# Altium PCB Proyecto_0.PcbDoc (part 2 of 3)
Units mil, origin at the board's own origin, x right, y up, seen from the top; angles counter-clockwise.
Board outline 2559.06 x 1771.65 mil, 10 copper layers (TOP, GND[1], VDD[1], Signal[1], GND[2], VDD[2], Signal[2], GND[3], VDD[3], Bottom Layer), stack 79.883 mil thick; 190 components, 259 nets, 1108 pads, 222 vias.
Unrouted connection lines stored in the file: 746.
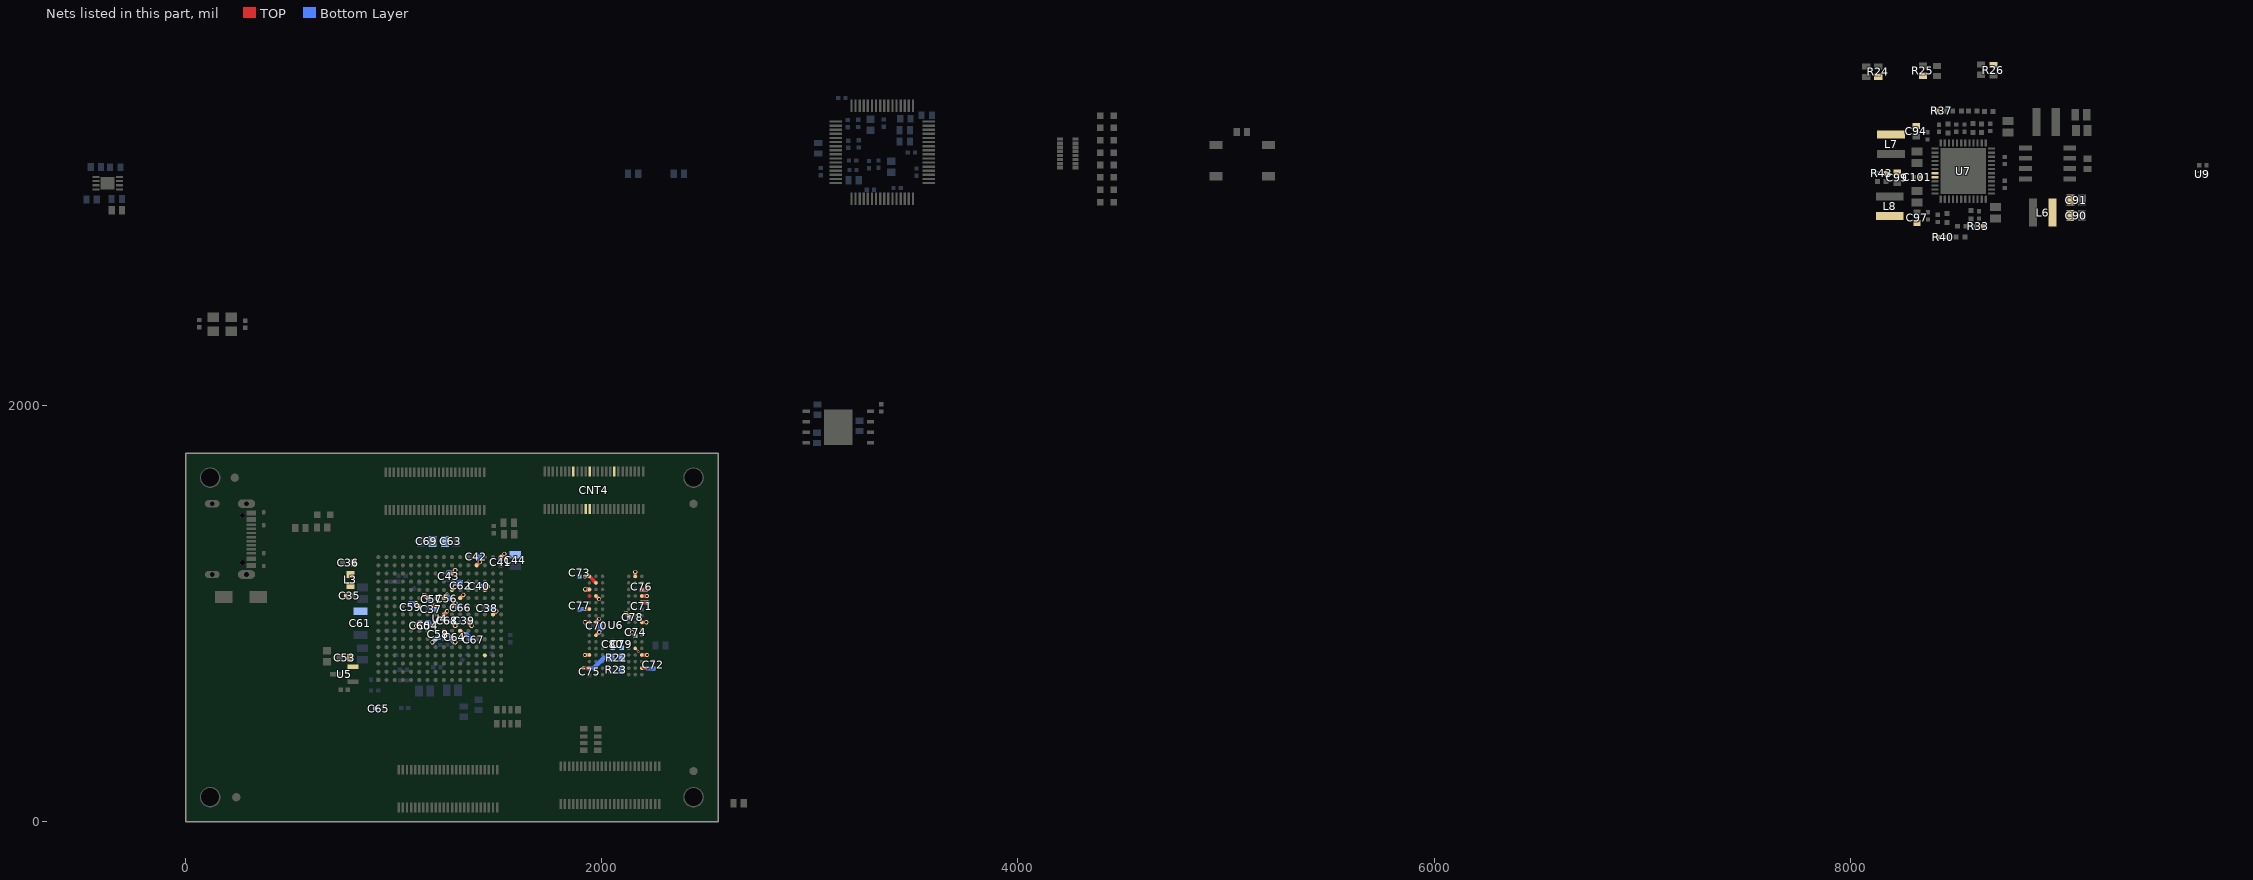
[diagram p10: the nets of this part, all layers, seen from the top]

## Design rules (kind name [scope] priority, off if disabled: settings) (continued)
MaxMinImpedance "Schematic Impedance Constraint_36" [InNet('L15_P')] p45: minimum=95,00 maximum=105,0
MaxMinImpedance "Schematic Impedance Constraint_35" [InNet('ADC_IN_N')] p46: minimum=95,00 maximum=105,0
MaxMinImpedance "Schematic Impedance Constraint_34" [InNet('AD5_P')] p47: minimum=95,00 maximum=105,0
MaxMinImpedance "Schematic Impedance Constraint_33" [InNet('L12_N')] p48: minimum=95,00 maximum=105,0
MaxMinImpedance "Schematic Impedance Constraint_32" [InNet('L22_N')] p49: minimum=95,00 maximum=105,0
MaxMinImpedance "Schematic Impedance Constraint_31" [InNet('AD5_N')] p50: minimum=95,00 maximum=105,0
MaxMinImpedance "Schematic Impedance Constraint_30" [InNet('AD7_P')] p51: minimum=95,00 maximum=105,0
MaxMinImpedance "Schematic Impedance Constraint_29" [InNet('L16_P')] p52: minimum=95,00 maximum=105,0
MaxMinImpedance "Schematic Impedance Constraint_27" [InNet('L13_P')] p53: minimum=95,00 maximum=105,0
MaxMinImpedance "Schematic Impedance Constraint_26" [InNet('L23_P')] p54: minimum=95,00 maximum=105,0
MaxMinImpedance "Schematic Impedance Constraint_25" [InNet('L16_N')] p55: minimum=95,00 maximum=105,0
MaxMinImpedance "Schematic Impedance Constraint_23" [InNet('L20_P')] p56: minimum=95,00 maximum=105,0
MaxMinImpedance "Schematic Impedance Constraint_22" [InNet('AD6_P')] p57: minimum=95,00 maximum=105,0
MaxMinImpedance "Schematic Impedance Constraint_21" [InNet('AD7_N')] p58: minimum=95,00 maximum=105,0
MaxMinImpedance "Schematic Impedance Constraint_20" [InNet('L18_P')] p59: minimum=95,00 maximum=105,0
MaxMinImpedance "Schematic Impedance Constraint_19" [InNet('L20_N')] p60: minimum=95,00 maximum=105,0
MaxMinImpedance "Schematic Impedance Constraint_18" [InNet('L18_N')] p61: minimum=95,00 maximum=105,0
MaxMinImpedance "Schematic Impedance Constraint_17" [InNet('L14_N')] p62: minimum=95,00 maximum=105,0
MaxMinImpedance "Schematic Impedance Constraint_16" [InNet('L24_N')] p63: minimum=95,00 maximum=105,0
MaxMinImpedance "Schematic Impedance Constraint_15" [InNet('AD6_N')] p64: minimum=95,00 maximum=105,0
MaxMinImpedance "Schematic Impedance Constraint_14" [InNet('UDQS_N')] p65: minimum=95,00 maximum=105,0
MaxMinImpedance "Schematic Impedance Constraint_13" [InNet('UDQS_P')] p66: minimum=95,00 maximum=105,0
MaxMinImpedance "Schematic Impedance Constraint_12" [InNet('L13_N')] p67: minimum=95,00 maximum=105,0
MaxMinImpedance "Schematic Impedance Constraint_11" [InNet('L23_N')] p68: minimum=95,00 maximum=105,0
MaxMinImpedance "Schematic Impedance Constraint_10" [InNet('USB_DATA_N')] p69: minimum=85,00 maximum=95,00
MaxMinImpedance DDR_DATA(8-15) [InNetClass('DDR_DATA(8-15)')] p70: minimum=45,00 maximum=55,00
MaxMinImpedance DDR_DATA(0-7) [InNetClass('DDR_DATA(0-7)')] p71: minimum=45,00 maximum=55,00
MaxMinImpedance DDR_CTRL [InNetClass('DDR_CTRL')] p72: minimum=45,00 maximum=55,00
MaxMinImpedance DDR_ADD/CMD [InNetClass('DDR_ADD/CMD')] p73: minimum=45,00 maximum=55,00
MaximumViaCount "Schematic Maximum Via Count Constraint_54" [InNetClass('DDR_DATA(8-15)')] p1: limit=2
MaximumViaCount "Schematic Maximum Via Count Constraint_49" [InNetClass('DDR_ADD/CMD')] p2: limit=2
MaximumViaCount "Schematic Maximum Via Count Constraint_48" [InNetClass('DDR_CTRL')] p3: limit=2
MaximumViaCount "Schematic Maximum Via Count Constraint_47" [InNetClass('DDR_DATA(0-7)')] p4: limit=2
MaximumViaCount "Schematic Maximum Via Count Constraint_46" [InNetClass('FLASH_SPI')] p5: limit=2
MaximumViaCount "Schematic Maximum Via Count Constraint_10" [InNet('UDQS_N')] p6: limit=2
MaximumViaCount "Schematic Maximum Via Count Constraint_9" [InNet('UDQS_P')] p7: limit=2
MaximumViaCount "Schematic Maximum Via Count Constraint_6" [InNet('LDQS_N')] p8: limit=2
MaximumViaCount "Schematic Maximum Via Count Constraint_5" [InNet('LDQS_P')] p9: limit=2
MaximumViaCount "Schematic Maximum Via Count Constraint_3" [InNet('CK_P')] p10: limit=2
MaximumViaCount "Schematic Maximum Via Count Constraint_2" [InNet('CK_N')] p11: limit=2
MinimumAnnularRing [All] p1: minimumring=787.4
PasteMaskExpansion [All] p1: expansion=2
PermittedLayers "Schematic Permitted Layers Rule_5" [InNetClass('FLASH_SPI')] p1: toplayerpermitted=FALSE bottomlayerpermitted=FALSE
PlaneClearance [All] p1: clearance=6
PlaneConnect [All] p1: planeconnectstyle=Direct reliefexpansion=20 reliefentries=4 reliefconductorwidth=10 reliefairgap=10
PolygonConnect [All] p1: connectstyle=Direct reliefconductorwidth=5 reliefentries=4 polygonreliefangle="90 Angle" airgapwidth=0
RoomDefinition U_Leds_and_Buttons [InComponentClass('U_Leds_and_Buttons')] p1: confinementstyle=ConfineIn formatcopy=TRUE lockcomponents=FALSE outline -1181.1,-3149.61 818.9,-3149.61 818.9,-2149.61 -1181.1,-2149.61
RoomDefinition U_FPGA_Power&Ports [InComponentClass('U_FPGA_Power&Ports')] p2: confinementstyle=ConfineIn formatcopy=TRUE lockcomponents=FALSE outline -1181.1,-3149.61 818.9,-3149.61 818.9,-2149.61 -1181.1,-2149.61
RoomDefinition U_Flash_Memory [InComponentClass('U_Flash_Memory')] p3: confinementstyle=ConfineIn formatcopy=TRUE lockcomponents=FALSE outline -1181.1,-3149.61 818.9,-3149.61 818.9,-2149.61 -1181.1,-2149.61
RoomDefinition U_DDR_Memory [InComponentClass('U_DDR_Memory')] p4: confinementstyle=ConfineIn formatcopy=TRUE lockcomponents=FALSE outline -1181.1,-3149.61 818.9,-3149.61 818.9,-2149.61 -1181.1,-2149.61
RoomDefinition U_USB_Port_FTT [InComponentClass('U_USB_Port_FTT')] p5: confinementstyle=ConfineIn formatcopy=TRUE lockcomponents=FALSE outline -551.06,4394.19 7165.48,4394.19 7165.48,5063.48 -551.06,5063.48
RoomDefinition U_Power_Supply [InComponentClass('U_Power_Supply')] p6: confinementstyle=ConfineIn formatcopy=TRUE lockcomponents=FALSE outline 8013,2508 10048.09,2508 10048.09,3802 8013,3802
RoomDefinition U_Bank_A-B-C-D [InComponentClass('U_Bank_A-B-C-D')] p7: confinementstyle=ConfineIn formatcopy=TRUE lockcomponents=FALSE outline 2637.8,78.74 3897.64,78.74 3897.64,866.14 2637.8,866.14
RoutingCorners "Schematic Routing Corners_1" [InNet('USB_DATA_P')] p1: cornerstyle=45-Degree minsetback=100 maxsetback=100
RoutingCorners "Schematic Routing Corners" [InNet('USB_DATA_N')] p2: cornerstyle=45-Degree minsetback=100 maxsetback=100
RoutingCorners [All] p3: cornerstyle=45-Degree minsetback=100 maxsetback=100
RoutingPriority [InNetClass('ADD[14..0]')] p1: routingpriority=0
RoutingVias GND_vias [InNet('GND')] p1: holewidth=28 width=50 viastyle="Through Hole" minholewidth=28 minwidth=50 maxholewidth=28 maxwidth=50
RoutingVias Signal_vias [All] p2: holewidth=7.87 width=11.81 viastyle="Through Hole" minholewidth=7.87 minwidth=11.81 maxholewidth=7.87 maxwidth=11.81
SolderMaskExpansion [All] p1: expansion=2 istentingtop=FALSE soldermaskfromhole=TRUE
UnpouredPolygon [All] p1: allowshelved=TRUE
Width Width_prov [All] p1: maxlimit=20 minlimit=1 preferedwidth=7
Width DDR3_CTRL [InNetClass('DDR_CTRL')] p2: maxlimit=7 minlimit=6 preferedwidth=7 toplayer_minwidth=7 midlayer2_maxwidth=6 midlayer2_prefwidth=6 midlayer6_maxwidth=6 midlayer6_prefwidth=6 bottomlayer_minwidth=7 impedanceprofiledriven=TRUE impedanceprofileid={713964CD-7AE4-42B9-9263-9FE57CD8E892} impedanceprofilevalue=50.000000 minimp=50.000000 maximp=50.000000 favimp=50.000000
Width DDR3_DATA_8-15 [InNetClass('DDR_DATA(8-15)')] p3: maxlimit=7 minlimit=6 preferedwidth=7 toplayer_minwidth=7 midlayer2_maxwidth=6 midlayer2_prefwidth=6 midlayer6_maxwidth=6 midlayer6_prefwidth=6 bottomlayer_minwidth=7 impedanceprofiledriven=TRUE impedanceprofileid={713964CD-7AE4-42B9-9263-9FE57CD8E892} impedanceprofilevalue=50.000000 minimp=50.000000 maximp=50.000000 favimp=50.000000
Width FPGA_CONFIG_SIGNALS [InNetClass('FPGA_CONFIG_SIGNALS')] p4: maxlimit=7 minlimit=6 preferedwidth=7 toplayer_minwidth=7 midlayer2_maxwidth=6 midlayer2_prefwidth=6 midlayer6_maxwidth=6 midlayer6_prefwidth=6 bottomlayer_minwidth=7 impedanceprofiledriven=TRUE impedanceprofileid={713964CD-7AE4-42B9-9263-9FE57CD8E892} impedanceprofilevalue=50.000000 minimp=50.000000 maximp=50.000000 favimp=50.000000
Width FPGA_BANK_14 [InNetClass('FPGA_BANK14')] p5: maxlimit=7 minlimit=6 preferedwidth=7 toplayer_minwidth=7 midlayer2_maxwidth=6 midlayer2_prefwidth=6 midlayer6_maxwidth=6 midlayer6_prefwidth=6 bottomlayer_minwidth=7 impedanceprofiledriven=TRUE impedanceprofileid={713964CD-7AE4-42B9-9263-9FE57CD8E892} impedanceprofilevalue=50.000000 minimp=50.000000 maximp=50.000000 favimp=50.000000
Width DDR3_ADD/CMD [InNetClass('DDR_ADD/CMD')] p6: maxlimit=7 minlimit=6 preferedwidth=7 toplayer_minwidth=7 midlayer2_maxwidth=6 midlayer2_prefwidth=6 midlayer6_maxwidth=6 midlayer6_prefwidth=6 bottomlayer_minwidth=7 impedanceprofiledriven=TRUE impedanceprofileid={713964CD-7AE4-42B9-9263-9FE57CD8E892} impedanceprofilevalue=50.000000 minimp=50.000000 maximp=50.000000 favimp=50.000000
Width FPGA_BANK_34 [InNetClass('FPGA_BANK34')] p7: maxlimit=7 minlimit=6 preferedwidth=7 toplayer_minwidth=7 midlayer2_maxwidth=6 midlayer2_prefwidth=6 midlayer6_maxwidth=6 midlayer6_prefwidth=6 bottomlayer_minwidth=7 impedanceprofiledriven=TRUE impedanceprofileid={713964CD-7AE4-42B9-9263-9FE57CD8E892} impedanceprofilevalue=50.000000 minimp=50.000000 maximp=50.000000 favimp=50.000000
Width DDR3_DATA_0-7 [InNetClass('DDR_DATA(0-7)')] p8: maxlimit=7 minlimit=6 preferedwidth=7 toplayer_minwidth=7 midlayer2_maxwidth=6 midlayer2_prefwidth=6 midlayer6_maxwidth=6 midlayer6_prefwidth=6 bottomlayer_minwidth=7 impedanceprofiledriven=TRUE impedanceprofileid={713964CD-7AE4-42B9-9263-9FE57CD8E892} impedanceprofilevalue=50.000000 minimp=50.000000 maximp=50.000000 favimp=50.000000
Width FPGA_UART [InNetClass('FPGA_UART_SIGNALS')] p9: maxlimit=7 minlimit=6 preferedwidth=7 toplayer_minwidth=7 midlayer2_maxwidth=6 midlayer2_prefwidth=6 midlayer6_maxwidth=6 midlayer6_prefwidth=6 bottomlayer_minwidth=7 impedanceprofiledriven=TRUE impedanceprofileid={713964CD-7AE4-42B9-9263-9FE57CD8E892} impedanceprofilevalue=50.000000 minimp=50.000000 maximp=50.000000 favimp=50.000000
Width FPGA_SPI [InNetClass('FLASH_SPI')] p10: maxlimit=7 minlimit=6 preferedwidth=7 toplayer_minwidth=7 midlayer2_maxwidth=6 midlayer2_prefwidth=6 midlayer6_maxwidth=6 midlayer6_prefwidth=6 bottomlayer_minwidth=7 impedanceprofiledriven=TRUE impedanceprofileid={713964CD-7AE4-42B9-9263-9FE57CD8E892} impedanceprofilevalue=50.000000 minimp=50.000000 maximp=50.000000 favimp=50.000000
Width EEPROM [InNetClass('EEPROM_SIGNALS')] p11: maxlimit=7 minlimit=6 preferedwidth=7 toplayer_minwidth=7 midlayer2_maxwidth=6 midlayer2_prefwidth=6 midlayer6_maxwidth=6 midlayer6_prefwidth=6 bottomlayer_minwidth=7 impedanceprofiledriven=TRUE impedanceprofileid={713964CD-7AE4-42B9-9263-9FE57CD8E892} impedanceprofilevalue=50.000000 minimp=50.000000 maximp=50.000000 favimp=50.000000
22 further rules are at their usual default settings.

## Classes and differential pairs
differential pair class USB_DIFF: USB_DATA
differential pair class FPGA_PORT35_DIFF: AD4 AD5 AD6 AD7 AD12 AD13 AD14 AD15 L4 L6 L11 L12 L13 L14 L15 L16 L17 L18 L19 L20 L21 L22 L23 L24
differential pair class DDR_DATA_DIF: LDQS UDQS
differential pair class DDR_CK_DIFF: CK
differential pair class ADC_DIFF_UNFILTERED: IN_Filter_ADC
differential pair class ADC_DIFF_FILTERED: ADC_IN
net class FPGA_UART_SIGNALS: UART_RX UART_TX
net class FPGA_CONFIG_SIGNALS: CONFIG_TCK CONFIG_TDI CONFIG_TDO CONFIG_TMS
net class FPGA_BANK34: L4 L5 M1 M2 M4 N1 N2 N3 N4 N5 P1 P3 P4 P5 R1 R2 R3 T2 T3 T4
net class FPGA_BANK14: E6 K5 N13 P13 R15 R16 T14 T15
net class FLASH_SPI: QSPI_\C\S\ QSPI_CCLK QSPI_DATA0 QSPI_DATA1 QSPI_DATA2 QSPI_DATA3
net class EEPROM_SIGNALS: EEPROM_CLK EEPROM_CS EEPROM_DATA
net class DDR_DATA(8-15): DQ8 DQ9 DQ10 DQ11 DQ12 DQ13 DQ14 DQ15
net class DDR_DATA(0-7): DQ0 DQ1 DQ2 DQ3 DQ4 DQ5 DQ6 DQ7
net class DDR_CTRL: C\S\ CKE D\D\R\_\R\E\S\E\T\ LDM ODT UDM
net class DDR_ADD/CMD: ADD0 ADD1 ADD2 ADD3 ADD4 ADD5 ADD6 ADD7 ADD8 ADD9 ADD10 ADD11 ADD12 ADD13 ADD14 BA0 BA1 BA2 C\A\S\ R\A\S\ W\E\
net class 100MHz: 100MHz
component class U_USB_Port_FTT: C1 C2 C3 C4 C5 C6 C7 C8 C9 C10 C11 C12 C13 C14 C15 C16 C17 C18 C104 C105 CNT1 D1 D2 L1 L2 R1 R2 R3 R4 R5 R6 R7 R8 R9 R10 S1 S3 U1 U2 XTAL1
component class U_Power_Supply: C81 C82 C83 C84 C85 C86 C87 C88 C89 C90 C91 C92 C93 C94 C95 C96 C97 C98 C99 C100 C101 C102 C103 L5 L6 L7 L8 R24 R25 R26 R27 R28 R29 R30 R31 R32 R33 R34 R35 R36 R37 R38 R39 R40 R41 R42 R43 R44 R45 U7 U8 U9
component class U_Leds_and_Buttons: D4 D5 D6 D7 D8 D9 D10 D11 R46 R47 S2
component class U_FPGA_Power&Ports: 2 C C20 C21 C22 C23 C24 C25 C26 C27 C28 C29 C30 C31 C32 C33 C34 C35 C36 C37 C38 C39 C40 C41 C42 C43 C44 C45 C46 C47 C48 C49 C50 C51 C52 C53 C54 C55 C56 C57 C58 C59 C60 C61 C62 C63 C64 C65 C66 C67 C68 C69 D3 L3 L4 R14 R15 R16 R17 R18 R19 R20 R21 U5
component class U_Flash_Memory: C19 R11 R12 R13 U3
component class U_DDR_Memory: C70 C71 C72 C73 C74 C75 C76 C77 C78 C79 C80 R22 R23 R48 U6
component class U_Bank_A-B-C-D: CNT2 CNT3 CNT4 CNT5
differential pair USB_DATA: +USB_DATA_P -USB_DATA_N
differential pair L24: +L24_P -L24_N
differential pair L23: +L23_P -L23_N
differential pair L22: +L22_P -L22_N
differential pair L21: +L21_P -L21_N
differential pair L20: +L20_P -L20_N
differential pair L19: +L19_P -L19_N
differential pair L18: +L18_P -L18_N
differential pair L17: +L17_P -L17_N
differential pair L16: +L16_P -L16_N
differential pair L15: +L15_P -L15_N
differential pair L14: +L14_P -L14_N
differential pair L13: +L13_P -L13_N
differential pair L12: +L12_P -L12_N
differential pair L11: +L11_P -L11_N
differential pair L6: +L6_P -L6_N
differential pair L4: +L4_P -L4_N
differential pair AD5: +AD5_P -AD5_N
differential pair AD4: +AD4_P -AD4_N
differential pair AD15: +AD15_P -AD15_N
differential pair AD14: +AD14_P -AD14_N
differential pair AD13: +AD13_P -AD13_N
differential pair AD12: +AD12_P -AD12_N
differential pair AD7: +AD7_P -AD7_N
differential pair AD6: +AD6_P -AD6_N
differential pair UDQS: +UDQS_P -UDQS_N
differential pair LDQS: +LDQS_P -LDQS_N
differential pair IN_Filter_ADC: +IN_Filter_ADC_P -IN_Filter_ADC_N
differential pair CK: +CK_P -CK_N
differential pair ADC_IN: +ADC_IN_P -ADC_IN_N

## Components (designator, comment, footprint, x,y, rotation, side; value= is the part's Value field where it differs from the comment)
C1 "0.47uF" CAP0402 3181.97,3355.32 r270 bottom
C2 "0.47uF" CAP0402 3231.97,3356.32 r90 bottom
C3 "4.7uF" CAP0402 3183.97,3256 r90 bottom
C4 "4.7uF" CAP0402 3234.97,3258 r90 bottom
C5 "0.47uF" CAP0402 3205.29,3178 r180 bottom
C6 "0.47uF" CAP0402 3207.29,3132 r180 bottom
C7 "4.7uF" CAP0402 3283.97,3158.32 r90 bottom
C8 "4.7uF" CAP0402 3329.97,3160.32 r90 bottom
C9 "3.3uF" CAP0603 3561.57,3395 r0 bottom value="3.3 uF"
C10 "0.1uF" CAP0402 3291.29,3037 r180 bottom
C11 "0.1uF" CAP0402 3418.97,3046 r180 bottom
C12 "0.47uF" CAP0402 3153.97,3478 r0 bottom
C13 "0.1uF" CAP0402 3051.97,3125 r90 bottom
C14 "0.1uF" CAP0402 3512.97,3122 r90 bottom
C15 "0.1uF" CAP0603 3458.97,3379 r0 bottom
C16 "27pF" CAP0402 65.97,2393.68 r90 top
C17 "27pF" CAP0402 285.97,2391 r270 top
C18 "0.47uF" CAP0603 -338.05,3146.39 r0 bottom
C19 "0.1uF" CAP0402 3343,1989.32 r270 top
C20 "0.47uF" CAP0402 948,1074 r180 bottom
C21 "0.47uF" CAP0402 1207,743 r180 bottom
C22 "0.47uF" CAP0402 1040,1182 r180 bottom
C23 "0.47uF" CAP0402 1004.62,1153.88 r0 bottom
C24 "4.7uF" CAP0402 1343,790 r225 bottom
C25 "4.7uF" CAP0402 986,918 r180 bottom
C26 "47uF" CAP0805 851,1098.56 r270 bottom
C27 "0.47uF" CAP0402 1560,880.68 r270 bottom
C28 "0.47uF" CAP0402 1417,724 r0 bottom
C29 "0.47uF" CAP0402 1241,849 r180 bottom
C30 "0.47uF" CAP0402 1111,1134 r45 bottom
C31 "4.7uF" CAP0402 1436,859 r270 bottom
C32 "4.7uF" CAP0402 1470,825 r90 bottom
C33 "47uF" CAP0805 1282,632 r0 bottom
C34 "47uF" CAP0805 1148.44,628 r0 bottom
C35 "4.7uF" CAP0402 789.32,1086 r180 top
C36 "0.47uF" CAP0603 781.39,1245 r0 top
C37 "0.1uF" CAP0402 1181,1021 r0 bottom
C38 "0.47uF" CAP0402 1448.68,1026 r0 bottom
C39 "0.47uF" CAP0402 1340,966 r0 bottom
C40 "0.47uF" CAP0402 1412,1133 r0 bottom
C41 "0.47uF" CAP0402 1515,1247 r90 bottom
C42 "4.7uF" CAP0402 1396,1274 r0 bottom
C43 "4.7uF" CAP0402 1265,1180 r90 bottom
C44 "47uF" CAP0805 1584,1256 r90 bottom
C45 "0.47uF" CAP0402 908,683 r0 bottom
C46 "0.47uF" CAP0402 908,631 r0 bottom
C47 "0.47uF" CAP0402 1047,679 r180 bottom
C48 "0.47uF" CAP0402 1046,731 r180 bottom
C49 "4.7uF" CAP0402 1030,802 r180 bottom
C50 "4.7uF" CAP0402 1053,547 r180 bottom
C51 "47uF" CAP0805 849,806 r90 bottom
C52 "0.1uF" CAP0402 762.32,635 r0 top
C53 "10uF" CAP0603 765.39,789 r0 top
C54 "0.1uF" CAP0402 1164,941 r90 bottom
C55 "1nF" CAP0402 1481.38,1404 r90 top
C56 "0.47uF" CAP0402 1256,1073 r0 bottom
C57 "0.47uF" CAP0402 1183.32,1069 r180 bottom
C58 "0.47uF" CAP0402 1215,901.32 r270 bottom
C59 "4.7uF" CAP0402 1081,1030.68 r90 bottom
C60 "4.7uF" CAP0402 1127,941 r90 bottom
C61 "100uF" CAP1206 840,955 r90 bottom
C62 "0.47uF" CAP0402 1322,1134 r90 bottom
C63 "47uF" CAP0805 1274.56,1347 r180 bottom
C64 "0.47uF" CAP0402 1294.32,887 r180 bottom
C65 "0.47uF" CAP0402 928.68,544 r180 bottom
C66 "0.47uF" CAP0402 1322,1029 r180 bottom
C67 "4.7uF" CAP0402 1384,875 r180 bottom
C68 "4.7uF" CAP0402 1257,965 r0 bottom
C69 "47uF" CAP0805 1158.44,1347 r0 bottom
C70 "0.47uF" CAP0402 1976,943 r0 bottom
C71 "0.47uF" CAP0402 2193,1036 r90 bottom
C72 "0.47uF" CAP0402 2247,754 r270 bottom
C73 "0.47uF" CAP0402 1893,1196 r270 bottom
C74 "0.47uF" CAP0402 2162.6,911.5 r270 bottom
C75 "0.47uF" CAP0402 1941,721 r90 bottom
C76 "0.47uF" CAP0402 2192.5,1130.66 r270 bottom
C77 "0.47uF" CAP0402 1893,1039 r270 bottom
C78 "0.47uF" CAP0402 2149,983 r180 bottom
C79 "1uF" CAP0402 2096,854 r270 bottom
C80 "10nF" CAP0402 2053,854 r270 bottom
C81 "10uF" CAP0805 8698,2926.56 r90 top
C82 "10uF" CAP0805 8758,3340 r270 top
C83 "10uF" CAP0805 8321,3194 r270 top
C84 "10uF" CAP0805 8320,3004 r90 top
C85 "0.1uF" CAP0402 8743,3178 r90 top
C86 "47uF" CAP0805 9109,3398 r180 top
C87 "47uF" CAP0805 9112.56,3322 r180 top
C88 "2.7nF" CAP0402 8673,3337 r90 top value=2.2nF
C89 "0.1uF" CAP0402 8743,3063 r270 top
C90 "47uF" CAP0805 9085,2913 r180 top
C91 "47uF" CAP0805 9086,2988 r180 top
C92 "2.7nF" CAP0402 8619,2917 r270 top value=2.2nF
C93 "0.1uF" CAP0402 8371,3296 r90 top
C94 "22uF" CAP0603 8317,3319 r90 top
C95 "2.7nF" CAP0402 8426,3333 r90 top value=2.2nF
C96 "0.1uF" CAP0402 8374,2912 r270 top
C97 "22uF" CAP0603 8321,2903 r270 top
C98 "2.7nF" CAP0402 8420,2899.96 r270 top value=2.2nF
C99 "10uF" CAP0603 8226,3096 r90 top
C100 "1uF" CAP0402 8549,3333.32 r270 top
C101 "1uF" CAP0402 8322.32,3098 r0 top
C102 "1uF" CAP0402 8510,3333.32 r270 top
C103 "0.1uF" CAP0402 9694.55,3155.56 r0 top
C104 "0.1uF" CAP0402 3487.97,3216 r0 bottom
C105 "0.1uF" CAP0402 3354.97,3358 r90 bottom
CNT1 "USB-C" "USB-C 2.0 24 PINS (16+8 DUMMY)" 128.12,1358.37 r270 top
CNT2 "528850574" 528850574 2039.52,176.55 r0 top
CNT3 "528850574" 528850574 1260.69,159.45 r0 top
CNT4 "528850574" 528850574 1962,1593 r180 top
CNT5 "528850574" 528850574 1198,1589 r180 top
D1 "ESD321" SOD-523 375,1456.59 r90 top
D2 "ESD321" SOD-523 376,1259.88 r270 top
D3 "597-3305-607F" 0603_LED 664,1476 r180 top
D4 "597-3305-607F" 0603_LED 4428,3394 r0 top
D5 "597-3305-607F" 0603_LED 4428,3334.57 r0 top
D6 "597-3305-607F" 0603_LED 4428,3275.14 r0 top
D7 "597-3305-607F" 0603_LED 4428,3215.71 r0 top
D8 "597-3305-607F" 0603_LED 4428,3156.29 r0 top
D9 "597-3305-607F" 0603_LED 4428,3096.86 r0 top
D10 "597-3305-607F" 0603_LED 4428,3037.43 r0 top
D11 "597-3305-607F" 0603_LED 4428,2978 r0 top
L1 "HZ0603C651R-10" Fer0603 3291.97,3349.43 r270 bottom
L2 "HZ0603C651R-10" Fer0603 3390.97,3148 r90 bottom
L3 "HZ0603C651R-10" Fer0603 792,1162 r90 top
L4 "HZ0603C651R-10" Fer0603 680,796 r270 top
L5 "3.3uH" IND1616-2.1mm 8941,3363 r0 top
L6 "1.5uH" IND1616-2.1mm 8925,2928 r0 top
L7 "6.8uH" IND1616-3.1mm 8196,3256 r90 top
L8 "3.3uH" IND1616-2.1mm 8190,2957.35 r270 top
R1 "5.1 K" RES0603 2150.59,3114 r180 bottom value="47 K"
R2 "5.1 K" RES0603 2370.59,3114 r0 bottom value="47 K"
R3 "10 K" RES0603 3210.59,3083 r0 bottom
R4 "10 K" RES0603 -331.05,2992.39 r0 bottom
R5 "10 K" RES0603 -451.67,2990.39 r0 bottom
R6 "10 K" RES0603 -431.42,3146.39 r0 bottom
R7 "12 K" RES0603 3039.97,3237 r90 bottom
R8 "4.7 k" RES0603 3455.97,3270 r180 bottom
R9 "2 k" RES0603 -330.65,2939 r180 top
R10 "10 K" RES0603 3455.97,3323 r0 bottom
R11 "4.7 k" RES0603 3035,1845 r90 bottom
R12 "4.7 k" RES0603 3239,1903 r270 bottom
R13 "4.7 k" RES0603 3037,1981 r270 bottom
R14 "200R" RES0603 551.38,1412 r180 top value=200
R15 "165R" RES0603 656,1414 r180 top value=165
R16 "100" ArrayResistor-1206 1948,396 r0 top value="100 Ohms"
R17 "4.7 k" RES0603 1408,562 r90 bottom
R18 "4.7 k" RES0603 1337,529.61 r90 bottom
R19 "100" ArrayResistor-1206 1547,504 r270 top value="100 Ohms"
R20 "78R7" RES0603 1553,1437 r0 top value=200
R21 "78R7" RES0603 1555,1382 r0 top value=200
R22 "1K" RES0603 2071,789 r180 bottom
R23 "1K" RES0603 2070,730 r0 bottom
R24 "6.65 K" RES0603 8135,3605 r270 top
R25 "1K" RES0603 8349,3610 r270 top
R26 "9.31 K" RES0603 8688.24,3612.62 r90 top value=9.31k
R27 "12.7 K" RES0603 8077,3604.62 r270 top
R28 "10 K" RES0603 8417,3608 r90 top
R29 "10 K" RES0603 8629,3614.62 r90 top
R30 "31.6k" RES0402 8665.72,3413 r0 top
R31 "10.2k" RES0402 8589,3415 r180 top
R32 "15k" RES0402 8631,3333 r270 top